# Altium PCB ER100_Driver.PcbDoc
Units mm, origin at the board's own origin, x right, y up, seen from the top; angles counter-clockwise.
Board outline 131.32 x 94.49 mm, 4 copper layers (Top Layer, MidLayer1, MidLayer2, Bottom Layer); 69 components, 74 nets, 510 pads, 592 vias.
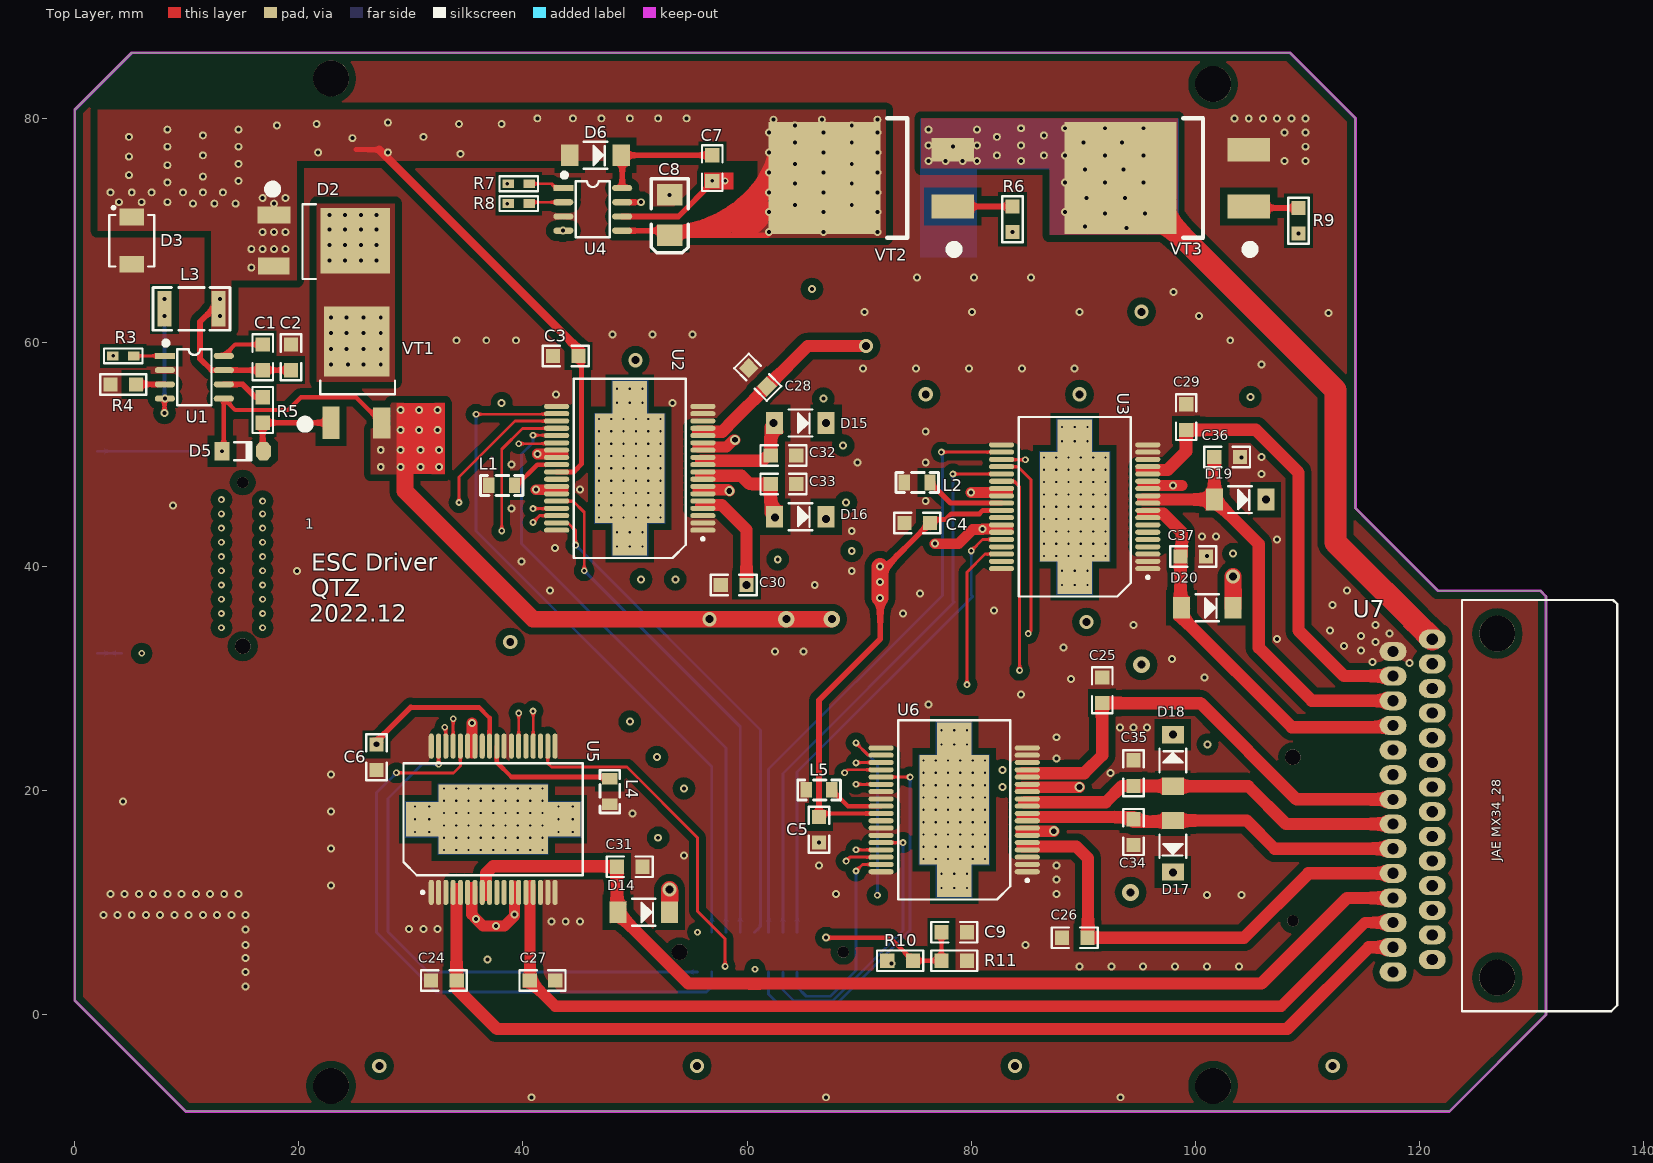
[diagram p0: Top Layer view]
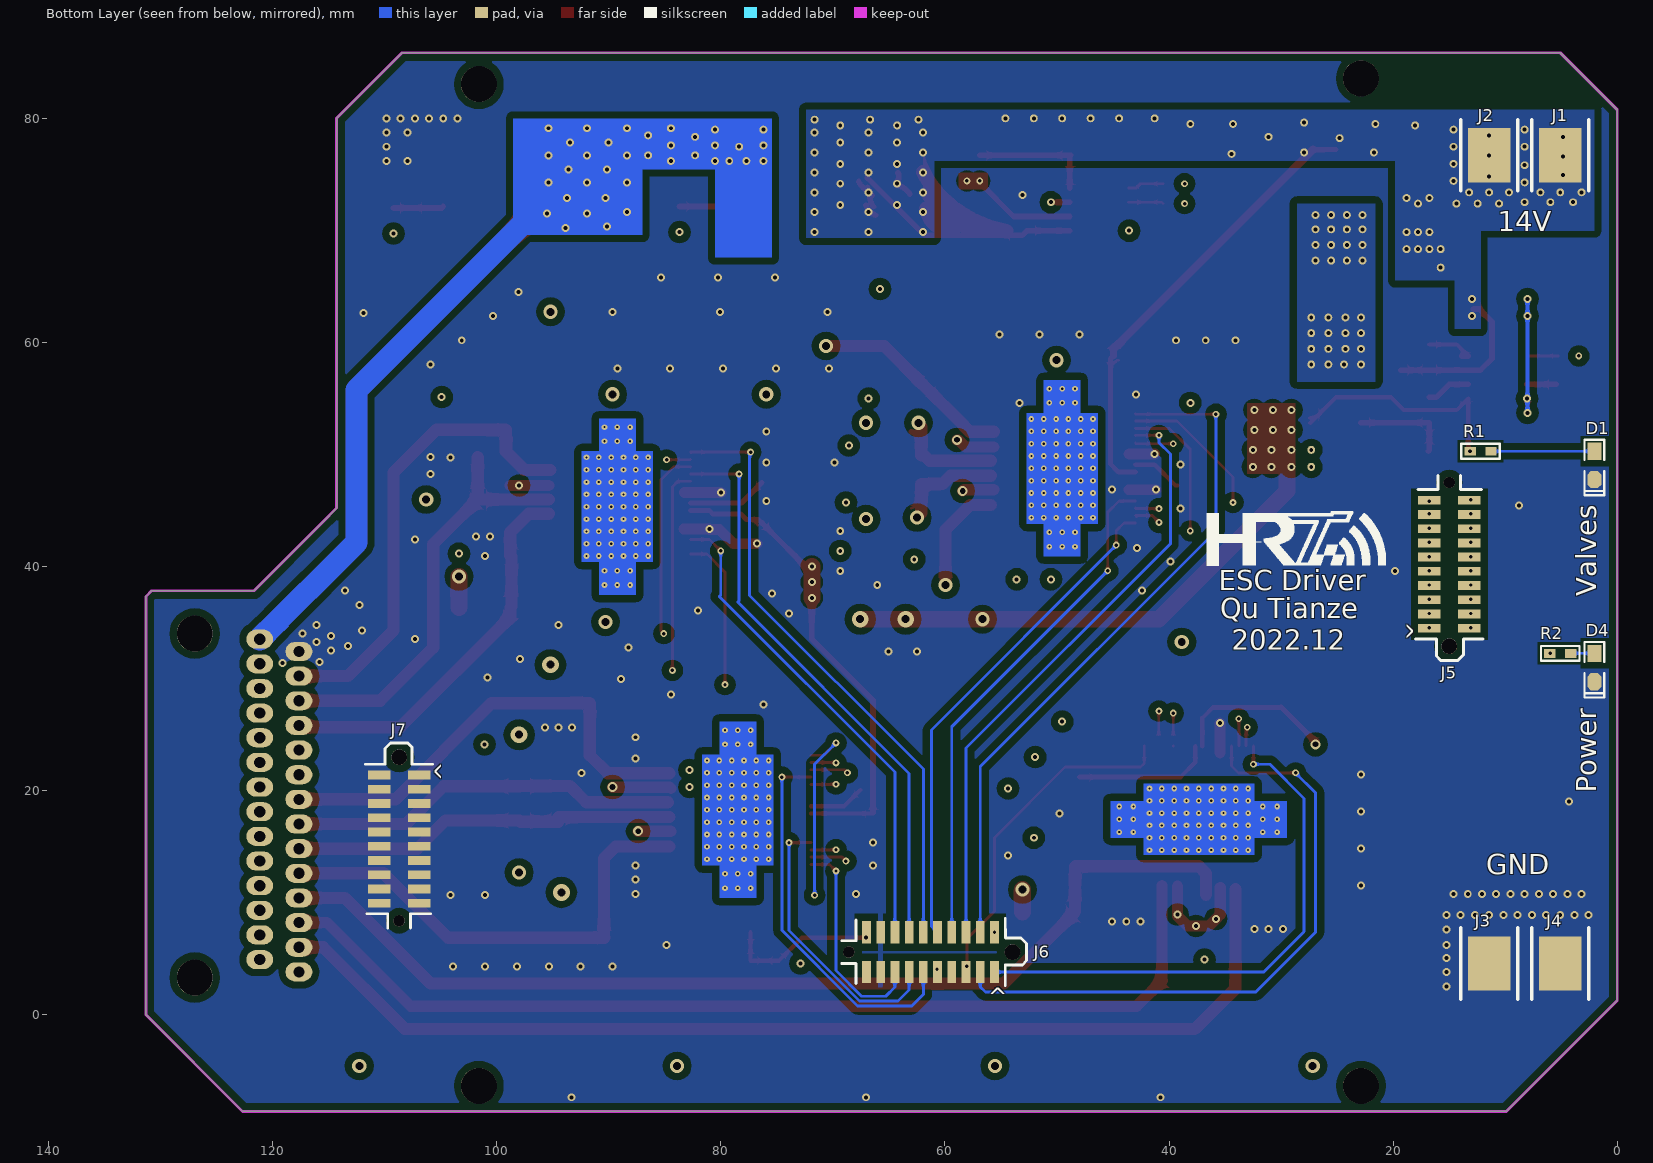
[diagram p1: Bottom Layer view, seen from below]
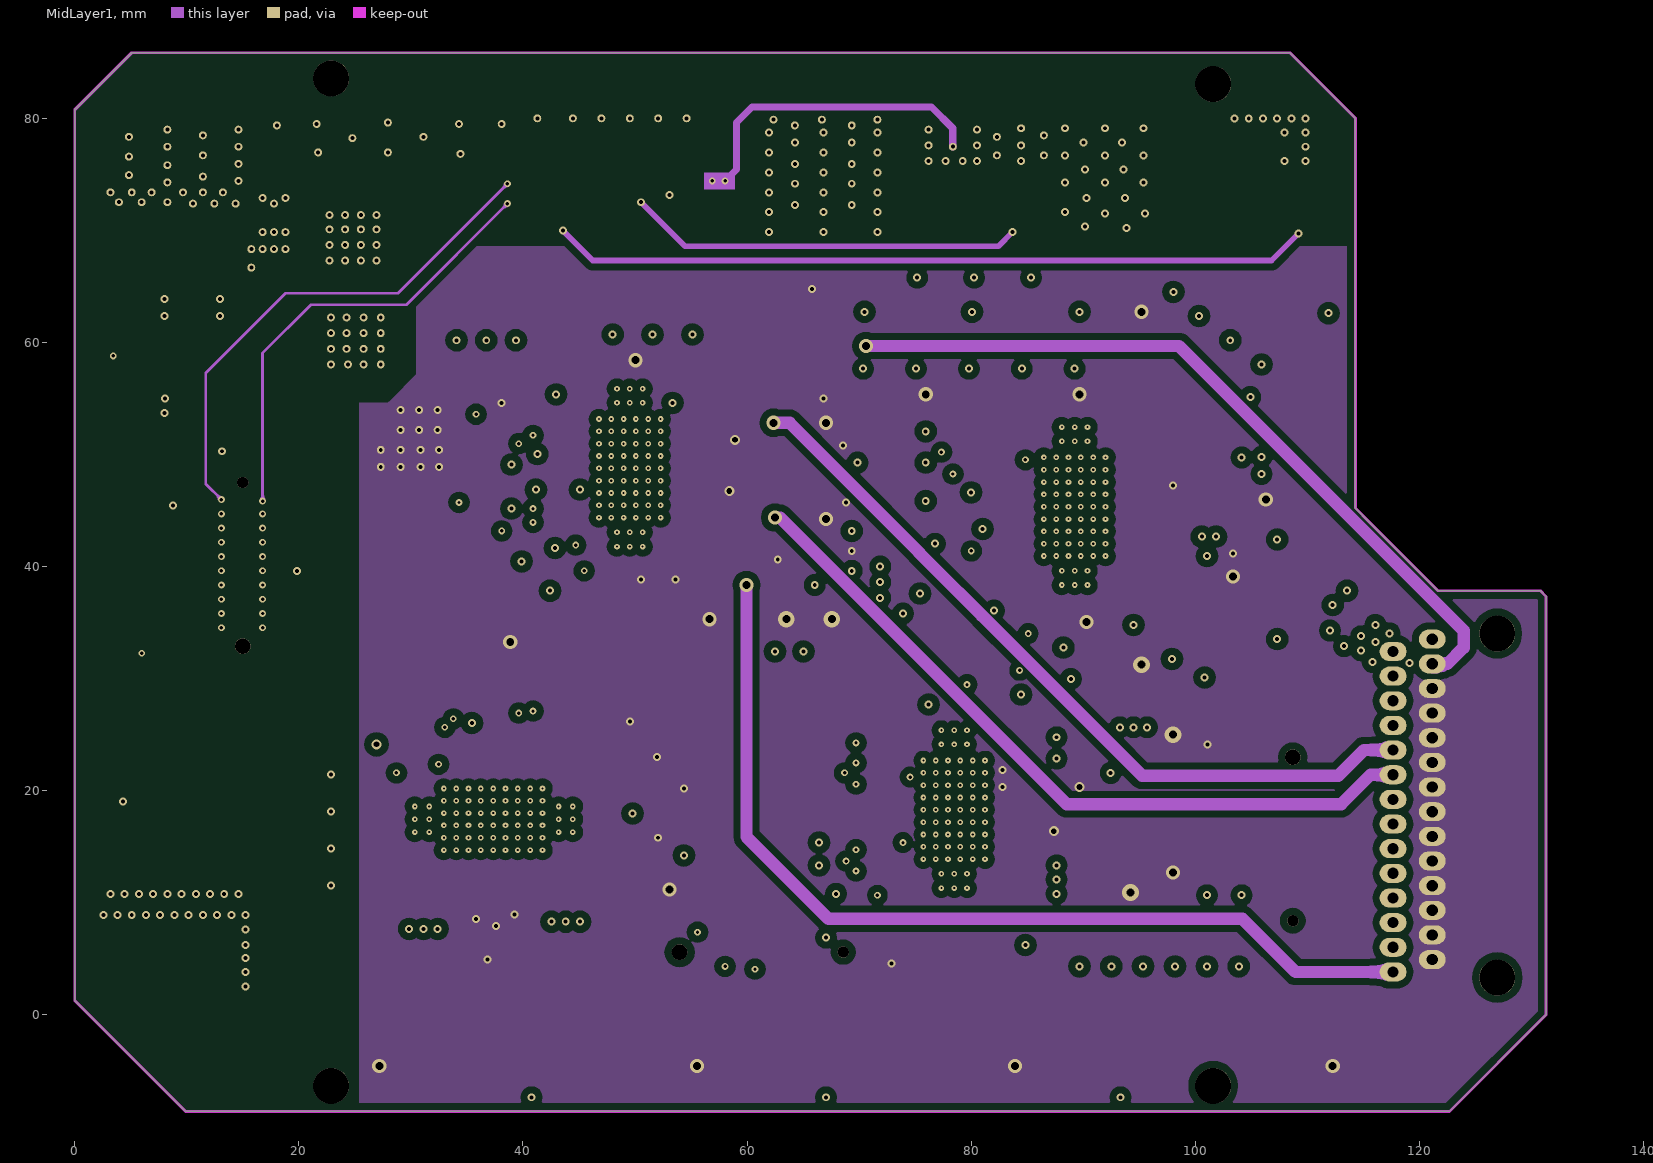
[diagram p2: MidLayer1]
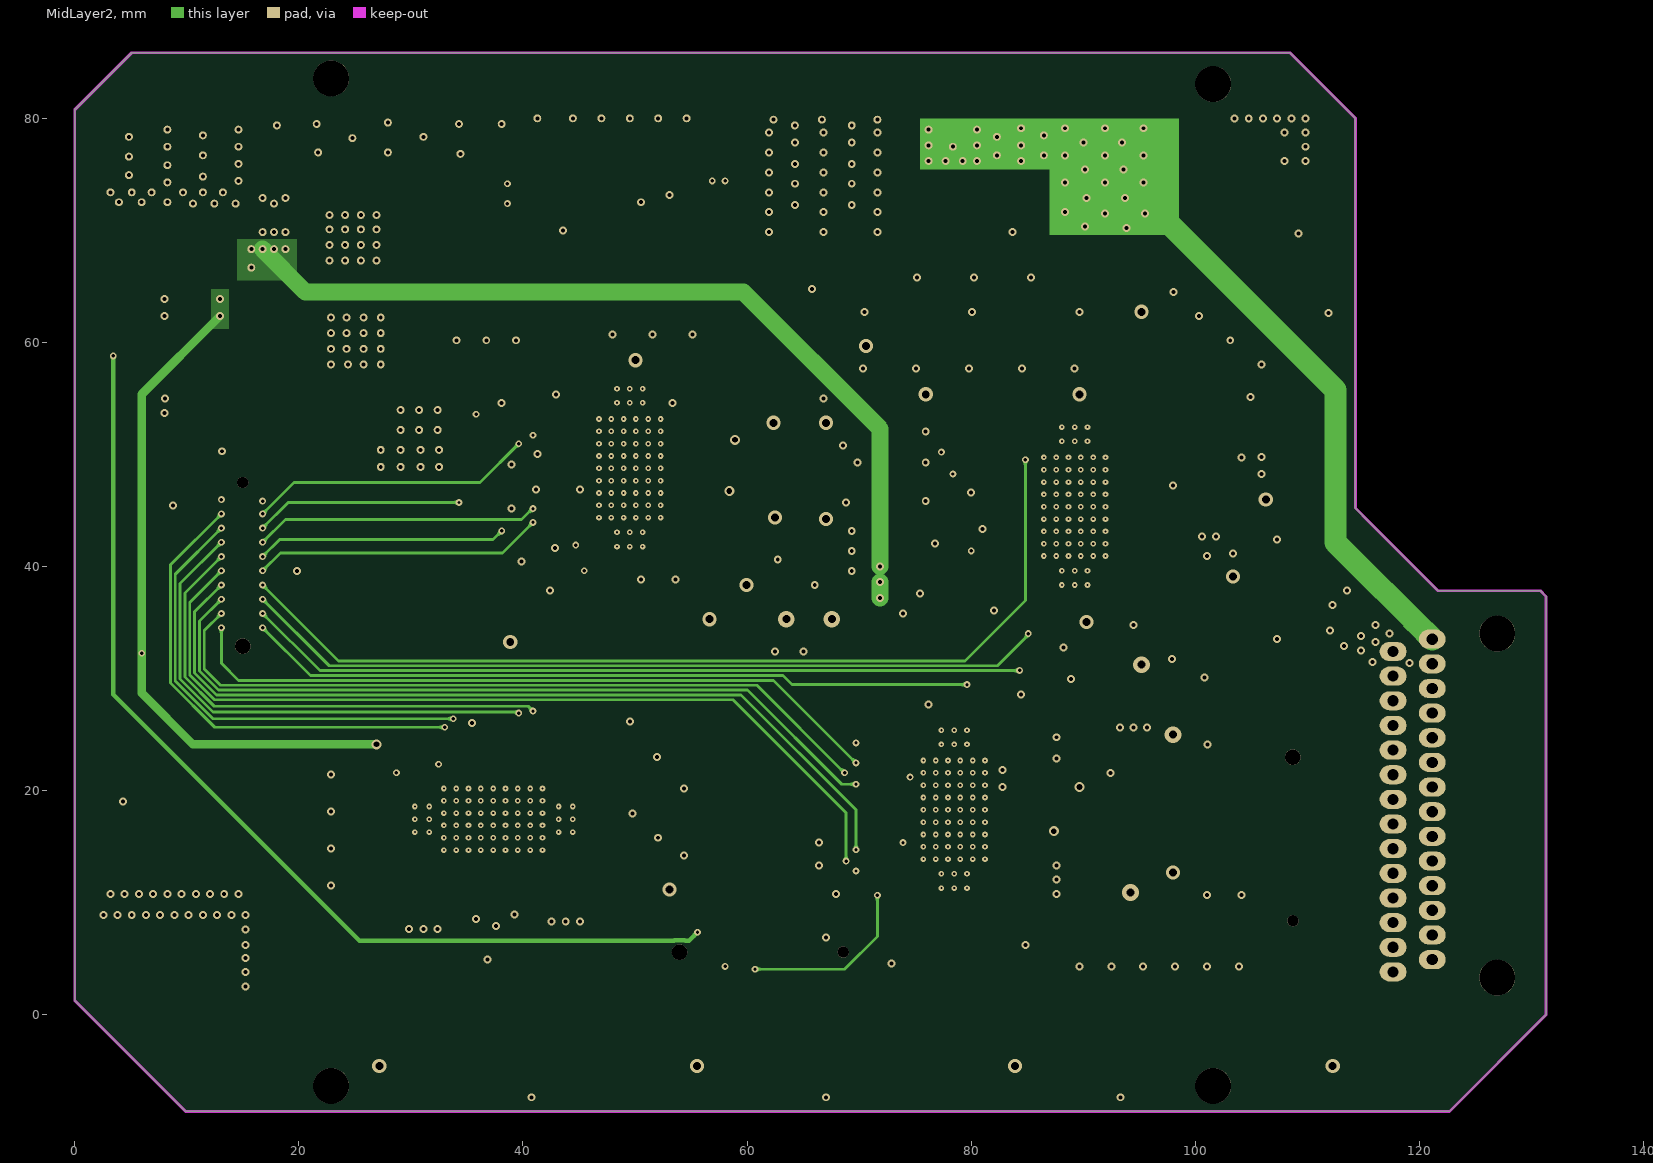
[diagram p3: MidLayer2]
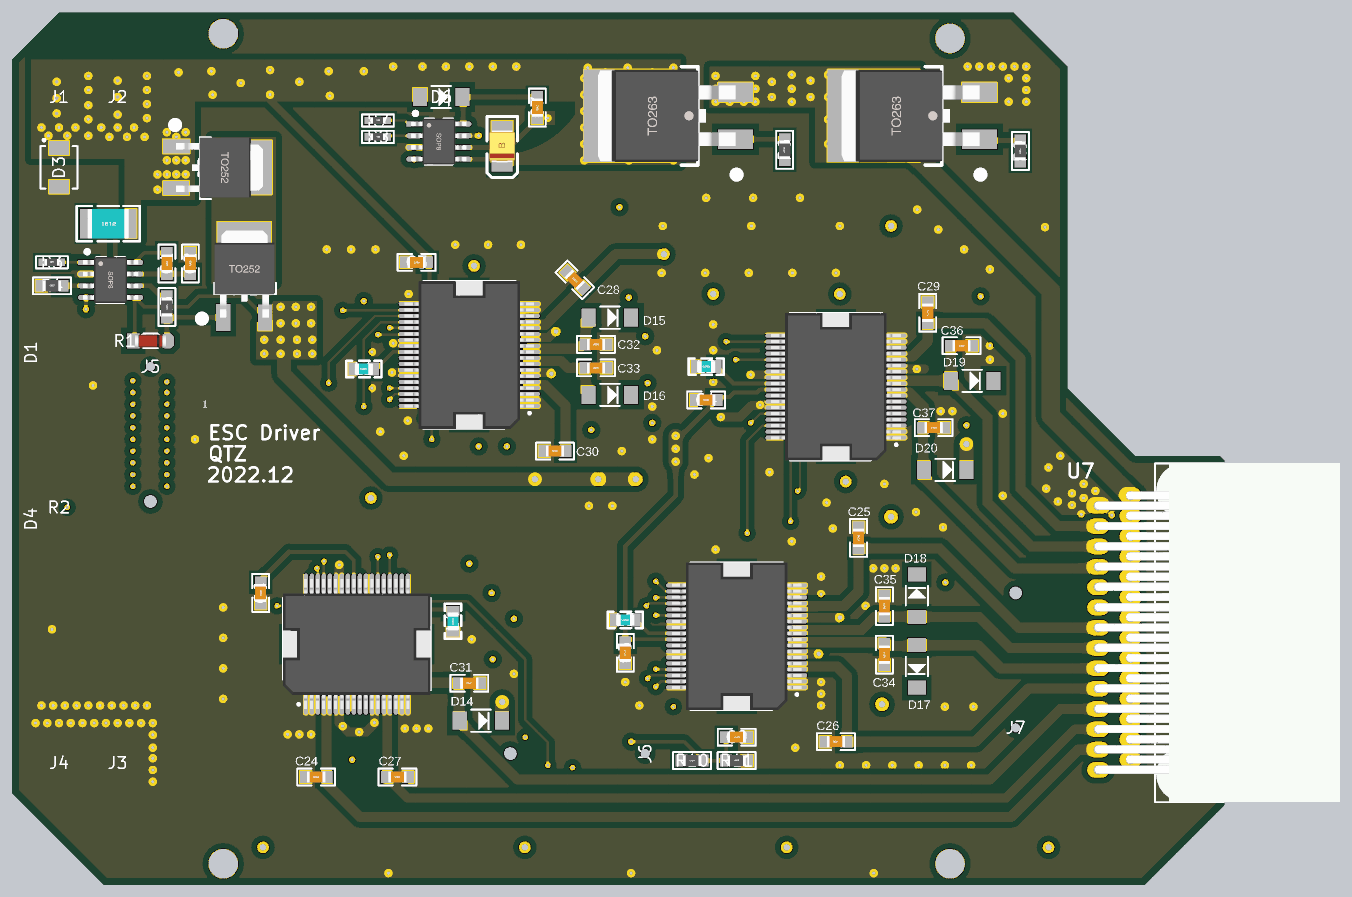
[diagram p4: 3D render of the assembled board from above, using the file's embedded part models]
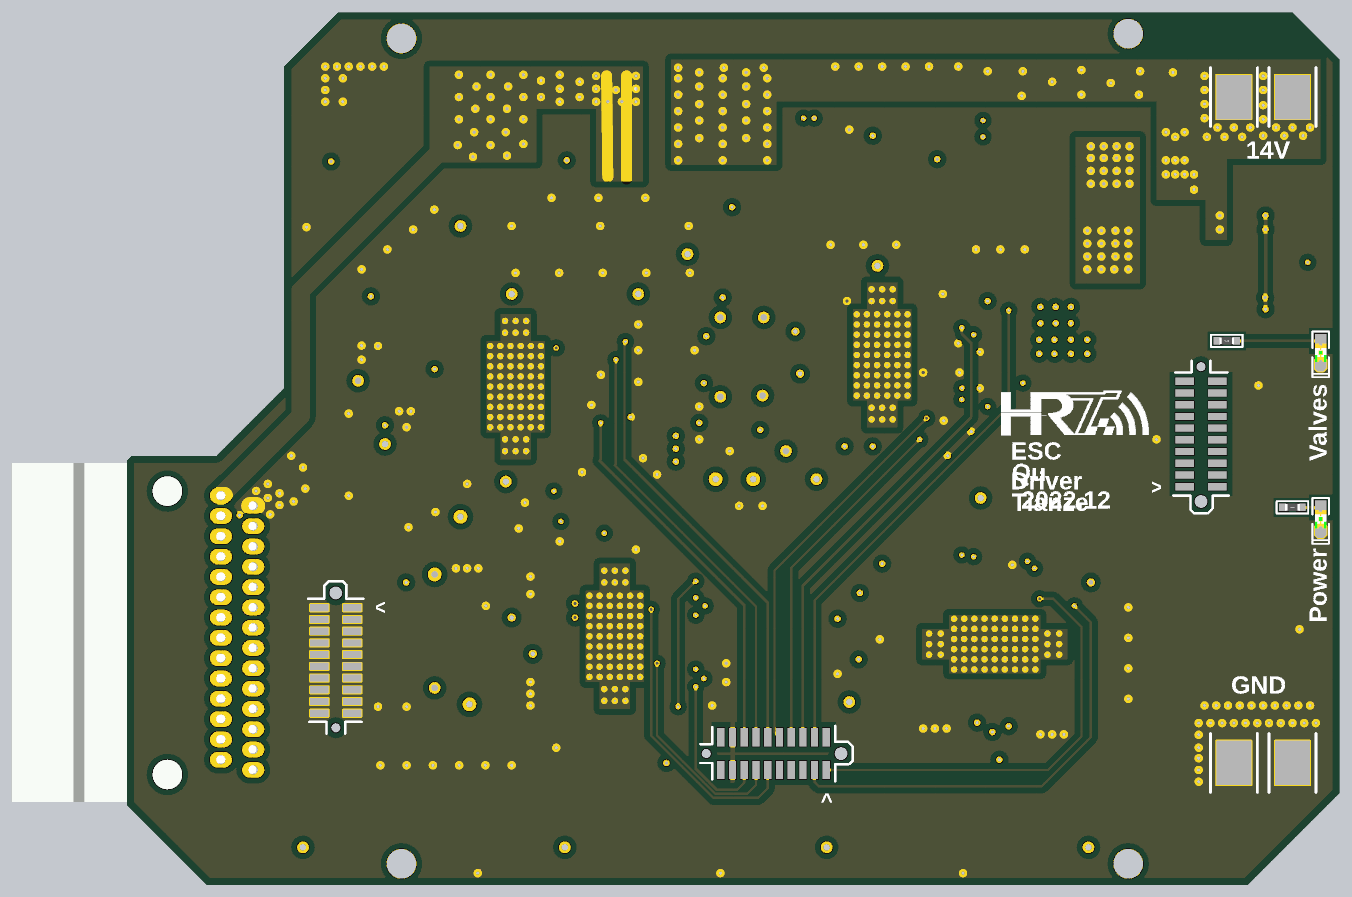
[diagram p5: 3D render of the assembled board from below, using the file's embedded part models]

## Layer stack, top to bottom
Top Solder: solder mask 0.0102, Solder Resist, Dk 3.5
Top Layer: signal copper 0.0356
Dielectric1: core 0.32, FR-4, Dk 4.8
MidLayer1: signal copper 0.0356
Dielectric2: prepreg 0.32, FR-4, Dk 4.8
MidLayer2: signal copper 0.0356
Dielectric3: core 0.32, FR-4, Dk 4.8
Bottom Layer: signal copper 0.0356
Bottom Solder: solder mask 0.0102, Solder Resist, Dk 3.5

## Board outline
0,1.27 9.906,-8.636 122.682,-8.636 131.318,0 131.318,37.338 130.81,37.846 121.666,37.846 115.57,43.942 114.3,45.212 114.3,80.01 108.458,85.852 5.08,85.852 0,80.772

## Design rules (kind name [scope] priority, off if disabled: settings)
Clearance Clearance_InP [InPolygon] p1: gap=0.635
Clearance Clearance_1 [All] p2: gap=0.178
HoleSize [All] p1: absolutevalues=TRUE maxlimit=5.08 minlimit=0.025 maxpercent=80.000 minpercent=20.000
MinimumSolderMaskSliver [All] p1: minsoldermaskwidth=0.051
PlaneClearance [All] p1: clearance=0.635
PolygonConnect PolygonConnect_4 [IsPad vs InNet('NetD2_2')] p1: connectstyle=Direct reliefconductorwidth=0.254 reliefentries=4 polygonreliefangle="90 Angle" airgapwidth=0.254
PolygonConnect PolygonConnect_3 [IsPad vs InNet('VALVES+')] p2: connectstyle=Direct reliefconductorwidth=0.254 reliefentries=4 polygonreliefangle="90 Angle" airgapwidth=0.254
PolygonConnect PolygonConnect_2 [IsPad vs InNet('VCC_14V')] p3: connectstyle=Direct reliefconductorwidth=0.254 reliefentries=4 polygonreliefangle="90 Angle" airgapwidth=0.254
PolygonConnect PolygonConnect_1 [IsPad vs InNet('P_GND')] p4: connectstyle=Direct reliefconductorwidth=0.254 reliefentries=4 polygonreliefangle="90 Angle" airgapwidth=0.254
PolygonConnect [All] p5: connectstyle=Direct reliefconductorwidth=0.635 reliefentries=4 polygonreliefangle="90 Angle" airgapwidth=0.305
RoutingVias [All] p1: holewidth=0.711 width=1.27 viastyle="Through Hole" minholewidth=0.127 minwidth=0.381 maxholewidth=0.711 maxwidth=2
SilkToSilkClearance [All] p1: silktosilkclearance=0.025
SilkToSolderMaskClearance [IsPad] p1: minsilkscreentomaskgap=0.025 clearancetoexposedcopper=TRUE
SolderMaskExpansion [All] p1: expansion=0.102
Width [All] p1: maxlimit=7.62 minlimit=0.254 preferedwidth=0.254
25 further rules are at their usual default settings.

## Components (designator, comment, footprint, x,y, rotation, side; value= is the part's Value field where it differs from the comment)
C1 "50V 104" "C 0805" 16.764,58.674 r270 top
C2 "10uF" "C 0805" 19.304,58.674 r270 top
C3 "10uF" "C 0805" 43.815,58.801 r180 top
C4 "10uF" "C 0805" 75.184,43.893 r180 top
C5 "10uF" "C 0805" 66.421,16.51 r270 top
C6 "10uF" "C 0805" 26.924,22.987 r270 top
C7 "50V 10uF" "C 0805" 56.896,75.565 r270 top
C8 "25V 10uF" "CP 3528B" 53.086,71.374 r90 top
C9 "104" "C 0805" 78.486,7.366 r180 top
C24 "2.2uF" "C 0805" 32.938,3.048 r180 top
C25 "2.2uF" "C 0805" 91.694,28.956 r270 top
C26 "2.2uF" "C 0805" 89.24,6.874 r0 top
C27 "2.2uF" "C 0805" 41.738,3.048 r180 top
C28 "2.2uF" "C 0805" 60.96,56.896 r315 top
C29 "2.2uF" "C 0805" 99.187,53.34 r270 top
C30 "2.2uF" "C 0805" 58.801,38.354 r0 top
C31 "2.2uF" "C 0805" 49.53,13.208 r180 top
C32 "2.2uF" "C 0805" 63.246,49.913 r0 top
C33 "2.2uF" "C 0805" 63.246,47.37 r0 top
C34 "2.2uF" "C 0805" 94.488,16.303 r90 top
C35 "2.2uF" "C 0805" 94.488,21.56 r90 top
C36 "2.2uF" "C 0805" 102.844,49.767 r180 top
C37 "2.2uF" "C 0805" 99.822,40.894 r180 top
D1 "Orange" LED_0805 2.032,49.022 r270 bottom
D2 "V40PWM45C" TO252_DIO 20.828,69.088 r270 top
D3 "P6SMB18" DO-214AA 5.08,69.088 r90 top
D4 "Blue" LED_0805 2.032,30.988 r270 bottom
D5 "18V" LL34 14.986,50.292 r0 top
D6 "ES1B-E3/61T" DO-214AC 46.482,76.708 r0 top
D14 "120T3G" DO-214 50.8,9.144 r0 top
D15 "120T3G" DO-214 64.77,52.812 r0 top
D16 "120T3G" DO-214 64.77,44.45 r0 top
D17 "120T3G" DO-214 98.003,15.016 r270 top
D18 "120T3G" DO-214 98.003,22.703 r90 top
D19 "120T3G" DO-214 104.013,45.974 r0 top
D20 "120T3G" DO-214 101.092,36.322 r0 top
J1 "SMT_Connector" SMT_Connector 5.08,76.708 r180 bottom
J2 "SMT_Connector" SMT_Connector 11.43,76.708 r180 bottom
J3 "SMT_Connector" SMT_Connector 11.43,4.572 r180 bottom
J4 "SMT_Connector" SMT_Connector 5.08,4.572 r180 bottom
J5 "20P_Female" B2B_1.27_Female 14.986,47.498 r0 bottom
J6 "20P_Female" B2B_1.27_Female 68.58,5.588 r270 bottom
J7 "20P_Female" B2B_1.27_Female 108.712,8.382 r180 bottom
L1 "Inductor" "L 0805" 38.1,47.244 r180 top
L2 "Inductor" "L 0805" 75.184,47.498 r180 top
L3 "100uH" "L 1812" 10.414,62.992 r0 top
L4 "Inductor" "L 0805" 47.752,19.913 r270 top
L5 "Inductor" "L 0805" 66.421,20.066 r180 top
R1 "10K" "R 0603" 12.192,50.292 r180 bottom
R2 "10K" "R 0603" 5.08,32.258 r0 bottom
R3 "1K" "R 0603" 4.318,58.801 r0 top
R4 "6.8R@Ipeak=167mA" "R 0805" 4.318,56.261 r0 top
R5 "330R" "R 0805" 16.764,53.975 r270 top
R6 "10R" "R 0805" 83.693,70.993 r90 top
R7 "1K" "R 0603" 39.624,74.168 r0 top
R8 "1K" "R 0603" 39.624,72.39 r0 top
R9 "10R" "R 0805" 109.22,70.866 r90 top
R10 "10K" "R 0805" 73.66,4.826 r180 top
R11 "2.2K" "R 0805" 78.486,4.826 r0 top
U1 "AUIR3241S" SOP8 10.668,56.896 r0 top
U2 "L9348" PowerSO-36 49.53,48.768 r90 top
U3 "L9348" PowerSO-36 89.24,45.339 r90 top
U4 "IR2184" SOP8 46.228,71.882 r0 top
U5 "L9348" PowerSO-36 37.338,17.446 r0 top
U6 "L9348" PowerSO-36 78.486,18.288 r90 top
U7 "MX34_28" mx34_28 121.158,4.92 r180 top
VT1 "SQD40N06" TO252 25.146,55.88 r0 top
VT2 "STB170NF04" TO263-3B 72.644,74.676 r90 top
VT3 "STB170NF04" TO263-3B 99.06,74.676 r90 top

## Footprints (in the part's own frame and the unit in brackets; to place one, negate y for a bottom-side part, rotate by r counter-clockwise, add the part's x,y. Pads: shape width x height; smd on the part's side, far side on the other; paste and mask are expansions set on the pad)
B2B_1.27_Female [mm]
  round 1 hole 1 unplated: 0(0,0)
  round 1.4 hole 1.4 unplated: 0(0,14.605)
  rect 2x0.78 smd: 1(1.778,13.005) 2(1.778,11.735) 3(1.778,10.465) 4(1.778,9.195) 5(1.778,7.925) 6(1.778,6.655) 7(1.778,5.385) 8(1.778,4.115) 9(1.778,2.845) 10(1.778,1.575) 11(-1.778,1.575) 12(-1.778,2.845) 13(-1.778,4.115) 14(-1.778,5.385) 15(-1.778,6.655) 16(-1.778,7.925) 17(-1.778,9.195) 18(-1.778,10.465) 19(-1.778,11.735) 20(-1.778,13.005)
  silkscreen extent -3,-0.64 3,15.88
"C 0805" [mil]
  rect 50x50 smd: 1(-45,0) 2(45,0)
  silkscreen extent -81,-36 81,36, body extent -39,-24 39,24, height 20
"CP 3528B" [mil]
  rect 75x90 smd: 1(-70.86,0) 2(70.87,0)
  silkscreen extent -132,-65 128,65, body extent -69,-55 69,55, height 75
DO-214 [mm]
  rect 1.524x1.95 smd: 1(-2.312,0) 2(2.288,0)
  silkscreen extent -1.06,-1.2 1.04,1.2, body extent -2.13,-1.2 2.11,1.19, height 3
DO-214AA [mm] "Molded Diode, 2-Leads, Body 4.31x3.62mm, IPC Medium Density"
  rect 1.5x2.15 smd: 1(-2.1,0) 2(2.1,0)
  silkscreen extent -2.3,-2 3.07,2, body extent -2.29,-1.97 2.28,1.97, height 2.44
DO-214AC [mm]
  rect 1.524x1.95 smd: 1(-2.312,0) 2(2.288,0)
  silkscreen extent -1.06,-1.2 1.04,1.2, body extent -2.13,-1.2 2.11,1.19, height 3
"L 0805" [mil]
  rect 40x55 smd: 1(-45,0) 2(45,0)
  silkscreen extent -75,-35 75,35, body extent -39,-24 39,24, height 35
"L 1812" [mil]
  rect 50x125 smd: 1(-95,0) 2(95,0)
  silkscreen extent -135,-75 135,75, body extent -89,-63 89,63, height 59
LED_0805 [mil]
  rect 60x50 smd: 1(-50,0)
  oct 60x50 smd: 2(50,0)
  silkscreen extent -90,-35 105,35, body extent -39,-25 39,25, height 32
LL34 [mm]
  rect 1.37x1.62 smd: 1(-1.855,0)
  oct 1.37x1.62 smd: 2(1.855,0)
  silkscreen extent -0.76,-0.8 0.78,0.8, body extent -1.7,-0.75 1.7,0.75, height 1.5
mx34_28 [mm]
  oval 2.4x1.7 hole 1: 1(3.5,-27.5) 2(3.5,-25.3) 3(3.5,-23.1) 4(3.5,-20.9) 5(3.5,-18.7) 6(3.5,-16.5) 7(3.5,-14.3) 8(3.5,-12.1) 9(3.5,-9.9) 10(3.5,-7.7) 11(3.5,-5.5) 12(3.5,-3.3) 13(3.5,-1.1) 14(3.5,1.1) 15(0,-28.6) 16(0,-26.4) 17(0,-24.2) 18(0,-22) 19(0,-19.8) 20(0,-17.6) 21(0,-15.4) 22(0,-13.2) 23(0,-11) 24(0,-8.8) 25(0,-6.6) 26(0,-4.4) 27(0,-2.2) 28(0,0)
  round 3.2 hole 3.2 unplated: 29(-5.8,1.6) 30(-5.8,-29.1)
  silkscreen extent -16.5,-32.1 -2.65,4.6, body extent -22.67,-32.13 3.88,4.57, height 16.3
PowerSO-36 [mm] "SOP, 36-Leads, Body 15.90x11.00mm, Pitch 0.65mm, Thermal Pad 9.80.2x6.20.2mm, IPC Medium Density"
  rect 3.1x3.1 smd: 0(-6.223,0) 0(6.223,0)
  rect 9.8x6.2 smd: 0(0,0)
  oval 0.45x2.25 smd: 1(-5.525,-6.525) 2(-4.875,-6.525) 3(-4.225,-6.525) 4(-3.575,-6.525) 5(-2.925,-6.525) 6(-2.275,-6.525) 7(-1.625,-6.525) 8(-0.975,-6.525) 9(-0.325,-6.525) 10(0.325,-6.525) 11(0.975,-6.525) 12(1.625,-6.525) 13(2.275,-6.525) 14(2.925,-6.525) 15(3.575,-6.525) 16(4.225,-6.525) 17(4.875,-6.525) 18(5.525,-6.525) 19(5.525,6.525) 20(4.875,6.525) 21(4.225,6.525) 22(3.575,6.525) 23(2.925,6.525) 24(2.275,6.525) 25(1.625,6.525) 26(0.975,6.525) 27(0.325,6.525) 28(-0.325,6.525) 29(-0.975,6.525) 30(-1.625,6.525) 31(-2.275,6.525) 32(-2.925,6.525) 33(-3.575,6.525) 34(-4.225,6.525) 35(-4.875,6.525) 36(-5.525,6.525)
  Bottom Layer region: 4.826,-1.651 7.874,-1.651 7.874,1.651 4.826,1.651
  Bottom Layer region: -4.953,-3.175 4.953,-3.175 4.953,3.175 -4.953,3.175
  Bottom Layer region: -7.874,-1.651 -4.826,-1.651 -4.826,1.651 -7.874,1.651
  silkscreen extent -8,-6.65 8,5, body extent -8,-7.03 8,7.03, height 3.6
"R 0603" [mm]
  rect 1.016x0.8 smd: 1(-0.927,0) 2(0.927,0)
  silkscreen extent -1.71,-0.66 1.71,0.66, body extent -0.8,-0.4 0.8,0.4, height 0.4
"R 0805" [mil]
  rect 50x50 smd: 1(-45,0) 2(45,0)
  silkscreen extent -81,-36 81,36, body extent -39,-25 39,25, height 20
SMT_Connector [mil]
  rect 150x190 smd: 1(0,0)
  silkscreen extent -100,-125 100,125
SOP8 [mm]
  rect 1.8x0.55 smd: 1(-2.625,1.905)
  oval 1.8x0.55 smd: 2(-2.625,0.635) 3(-2.625,-0.635) 4(-2.625,-1.905) 5(2.625,-1.905) 6(2.625,-0.635) 7(2.625,0.635) 8(2.625,1.905)
  silkscreen extent -2.69,-2.5 1.52,3.2, body extent -3,-2.5 3,2.5, height 1.9
TO252 [mil]
  rect 60x115 smd: 1(-89.55,-119.77)
  rect 230x245 smd: 2(0,165.35)
  rect 60x110 smd: 3(88.45,-120.77)
  silkscreen extent -196,-140 135,28, body extent -127,-120 129,251, height 91
TO252_DIO [mil]
  rect 60x115 smd: 1(-89.55,-119.77)
  rect 60x110 smd: 1(88.45,-120.77)
  rect 230x245 smd: 2(0,165.35)
  silkscreen extent -196,-140 135,28, body extent -127,-120 129,251, height 91
TO263-3B [mm]
  rect 2.1x3.8 smd: 1(-2.54,-5.725) 3(2.54,-5.725)
  rect 10x10 smd: 2(0,5.725)
  silkscreen extent -6.75,-6.21 5.33,0.14, body extent -5,-5.74 5,9.19, height 4.5

## Part data
C1 C2 C3 C4 C5 C6 C7 C9 C24 C25 C26 C27 C28 C29 C30 C31 C32 C33 C34 C35 C36 C37: library part Cap, "无极性电容"
C8: library part Cap_Pol, "极性电容"
D1 D4: library part LED, "发光二极管"
D2 D6 D14 D15 D16 D17 D18 D19 D20: library part Diode, "二极管"
D3: library part P6SMBXX, "BiDir TVS Diode"
D5: library part Diode_Zener
J1 J2 J3 J4: "表贴接线端"
J5 J6 J7: library part B2B_1.27_Female, "板对板连接器 母头"
L1 L2 L4 L5: "电感"
L3: library part Inductor, "电感"
R1 R2 R3 R4 R5 R6 R7 R8 R9 R10 R11: library part Resistor, "电阻"
U1: "B2B MOSFET Driver"
U2 U3 U5 U6: "4路电磁阀驱动"
U4: "Half-Bridge Gate Driver"
VT1 VT2 VT3: library part PowerMos_N
